# Altium PCB PCBV2.PcbDoc (part 2 of 3)
Units mil, origin at the board's own origin, x right, y up, seen from the top; angles counter-clockwise.
Board outline 4340.74 x 6112.39 mil, 4 copper layers (Top Layer, GND, PWR, Bottom Layer), stack 30.634 mil thick; 265 components, 139 nets, 704 pads, 345 vias.
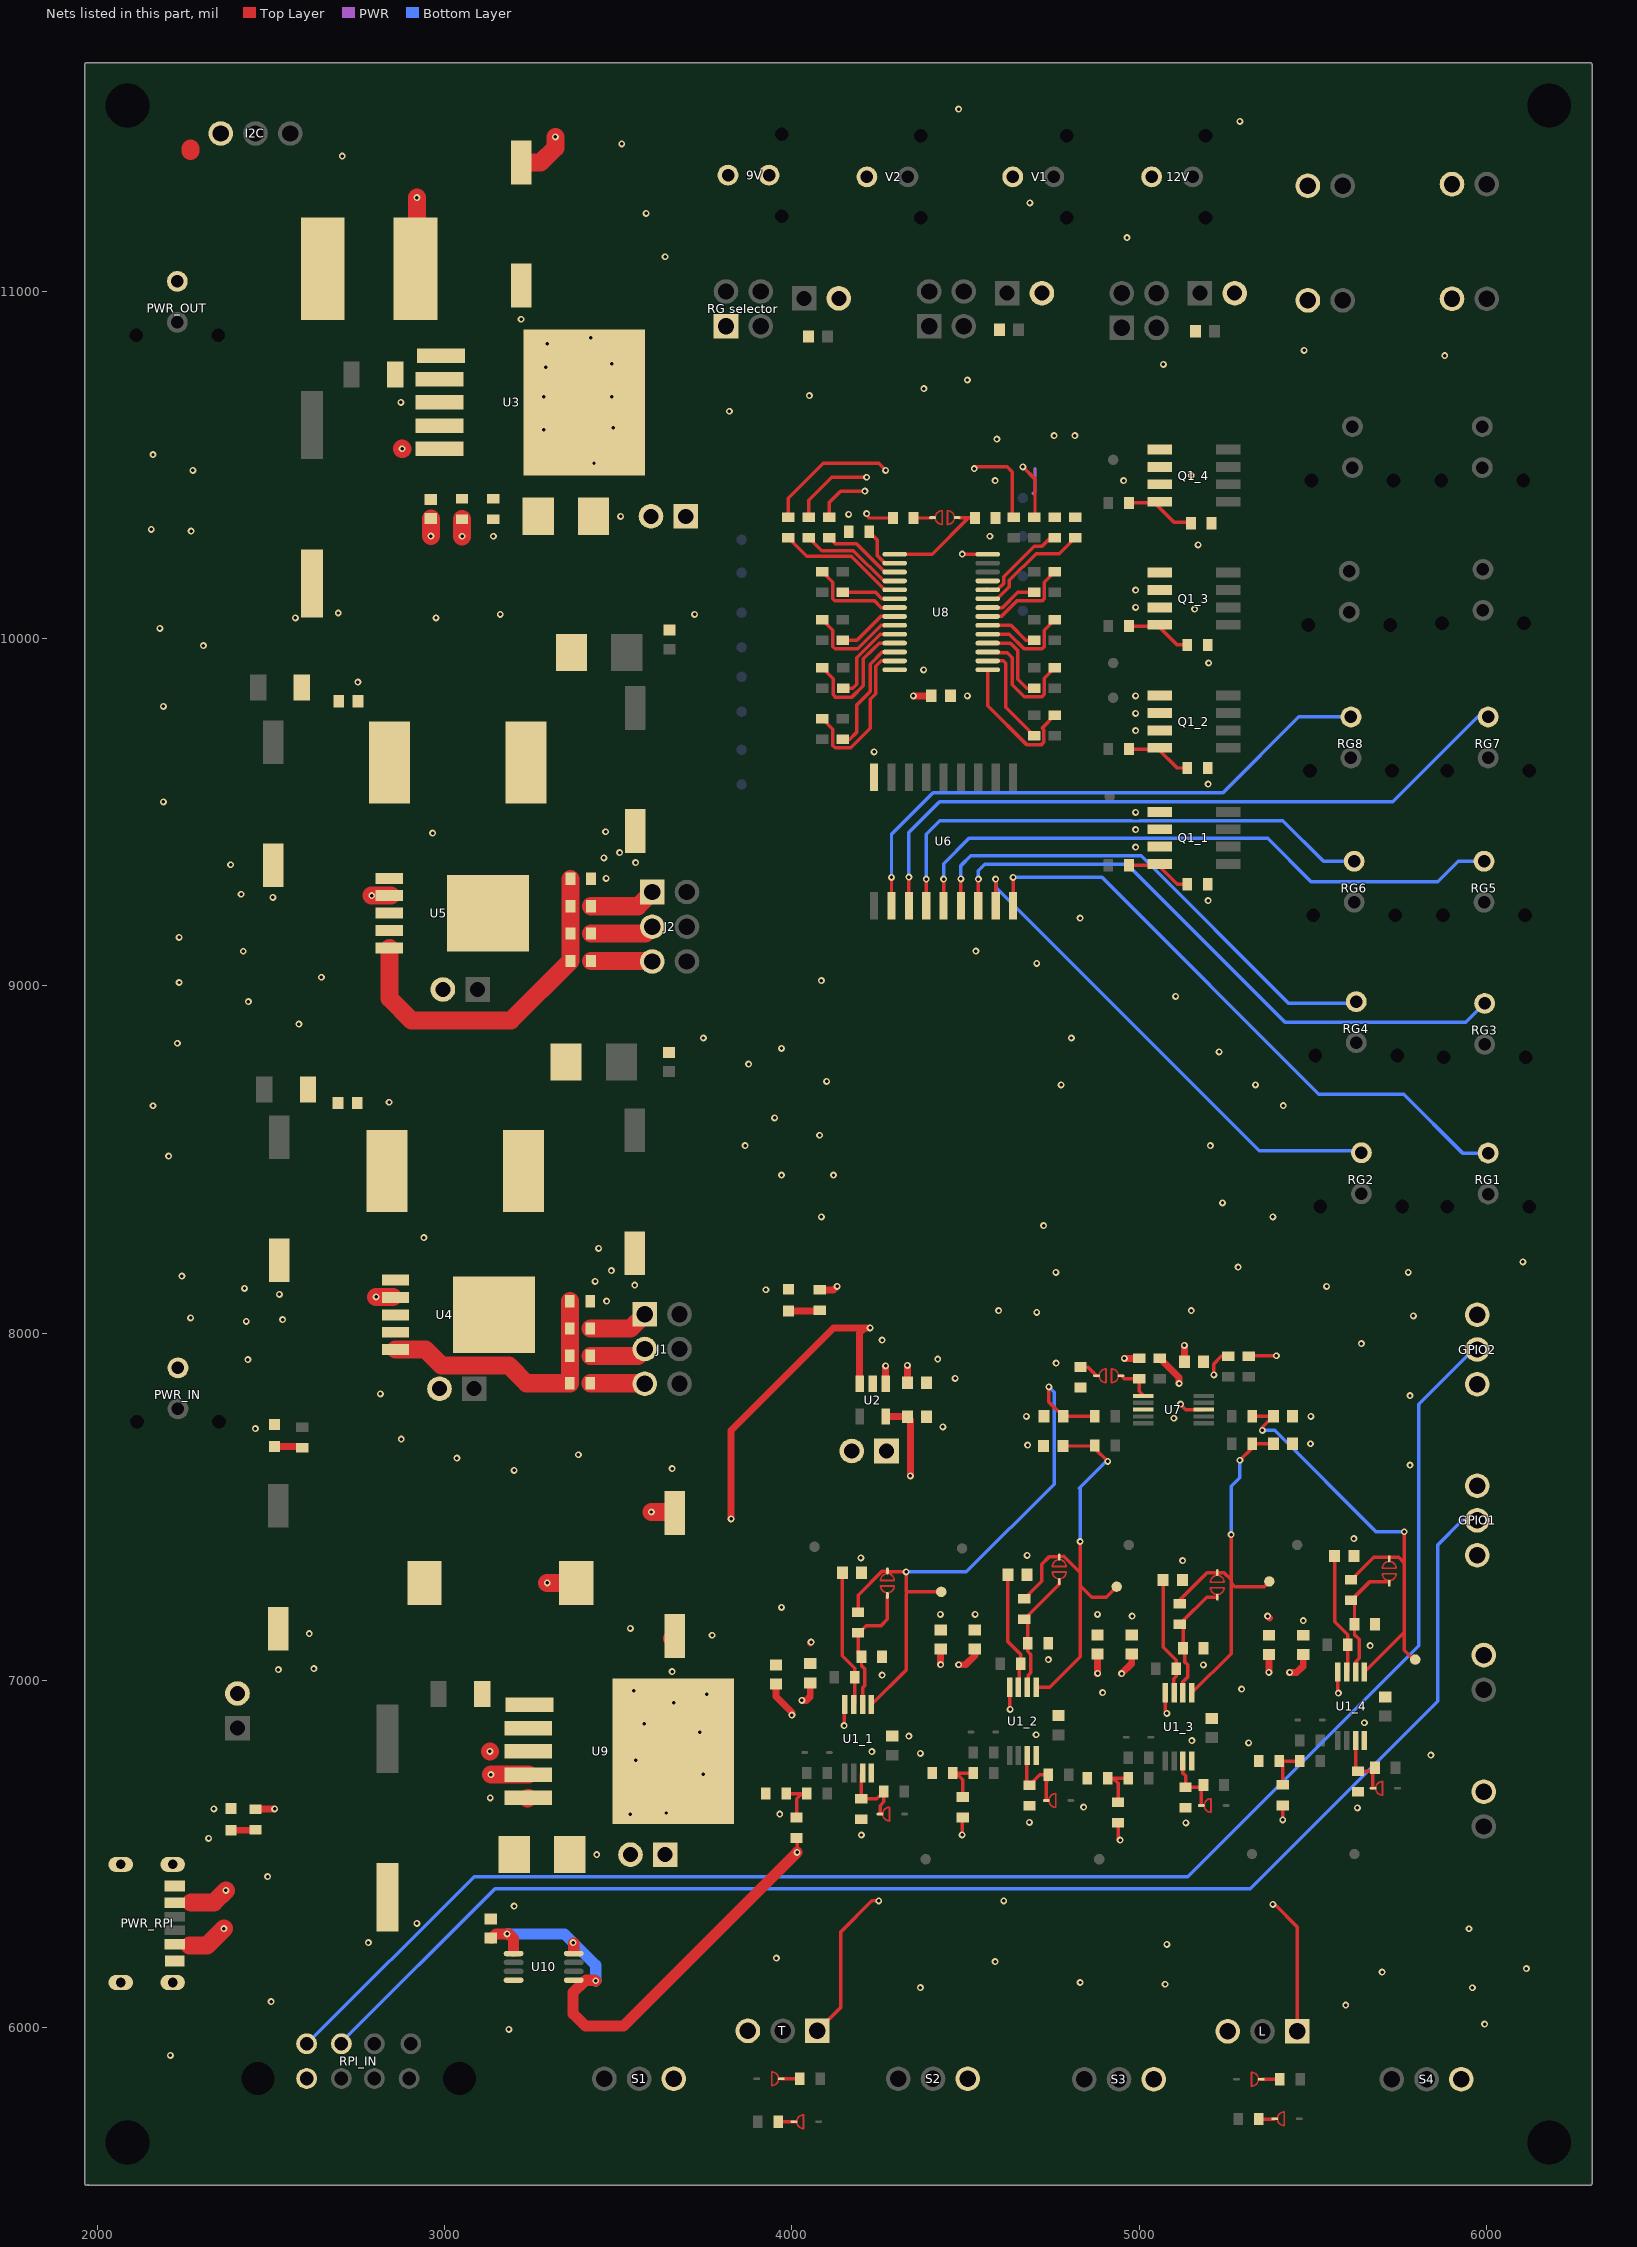
[diagram p4: the nets of this part, all layers, seen from the top]

## Part data
0 1 2 3 4 5 6 7 8 9 10 11 12 13 14 15 adc_1 adc_2 adc_3 adc_4 sens_1 sens_2 sens_3 sens_4 sig_1 sig_2 sig_3 sig_4: "Solder test point"
3V3 5V ON: library part LED, "Generic LED SMD", Color=Green, Manufacturer=Lite-On, Manufacturer Part Number=LTST-C191TGKT, Package=0603, Supplier Part Number 1=C125101, Supplier 1=LCSC
9V 12V B H1 H2 PWR_IN PWR_OUT RG1 RG2 RG3 RG4 RG5 RG6 RG7 RG8 V1 V2 W: library part "PC - 2X1", "Generic Header Power 2pos", Manufacturer=MOLEX, Manufacturer Part Number=430450212, Supplier Part Number 1=C293362, Supplier 1=LCSC
"Blue selector" "Heater selector" "RG selector": library part "Header - 2x2c", "Pin Header 4pos, 2 row, 2.54 pitch", Manufacturer="CJT(Changjiang Connectors)", Manufacturer Part Number=A2541WV-2x2P, Supplier Part Number 1=C225517, Pitch=2.54, Supplier 1=LCSC
C1 C12 C15: "Electrolytic Aluminium Capacitor", Manufacturer=Lelon, Manufacturer Part Number=VEJ470M1HTR-1010, Package=SMD,10x10mm, Supplier Part Number 1=C249662, Voltage=50V, Supplier 1=LCSC
C2 C6: "Electrolytic Aluminium Capacitor", Manufacturer=PANASONIC, Manufacturer Part Number=EEEFK1V681AQ, Package=SMD,12.5x13.5mm, Supplier Part Number 1=C178568, Voltage=35V, Supplier 1=LCSC
C3 C8: "Electrolytic Aluminium Capacitor", Manufacturer=PANASONIC, Manufacturer Part Number=EEE1VA331UAP, Package="SMD, 10X10mm", Supplier Part Number 1=C336488, Voltage=35V, Supplier 1=LCSC
C4 C5: "Capacitor (Semiconductor SIM Model)", Manufacturer="Samsung Electro-Mechanics", Manufacturer Part Number=CL10B105KO8NNNC, Supplier Part Number 1=C59782, LatestRevisionDate=29-May-2009, LatestRevisionNote="IPC-7351 Footprint Added.", PackageDescription="Chip Capacitor", PackageReference=C0603, Published=8-Jun-2000, Publisher="Altium Limited", Supplier 1=LCSC
C7: "Capacitor (Semiconductor SIM Model)", Manufacturer="Walsin Tech Corp", Manufacturer Part Number=0603B152K500, Supplier Part Number 1=C152947, LatestRevisionDate=29-May-2009, LatestRevisionNote="IPC-7351 Footprint Added.", PackageDescription="Chip Capacitor", PackageReference=C0603, Published=8-Jun-2000, Publisher="Altium Limited", Supplier 1=LCSC
C9 C11: "Electrolytic Aluminium Capacitor", Manufacturer=Lelon, Manufacturer Part Number=VE-221M1HTR-1010, Package=SMD,10x10mm, Supplier Part Number 1=C134732, Voltage=50V, Supplier 1=LCSC
C10 C13 C14 C16 C17 C18 C29: "Capacitor (Semiconductor SIM Model)", Manufacturer="Samsung Electro-Mechanics", Manufacturer Part Number=CL10A105KB8NNNC, Supplier Part Number 1=C15849, LatestRevisionDate=29-May-2009, LatestRevisionNote="IPC-7351 Footprint Added.", PackageDescription="Chip Capacitor", PackageReference=C0603, Published=8-Jun-2000, Publisher="Altium Limited", Supplier 1=LCSC
C19 C20_1 C20_2 C20_3 C20_4: "Capacitor (Semiconductor SIM Model)", Manufacturer="Samsung Electro-Mechanics", Manufacturer Part Number=CL10A106MQ8NNNC, Supplier Part Number 1=C1691, LatestRevisionDate=29-May-2009, LatestRevisionNote="IPC-7351 Footprint Added.", PackageDescription="Chip Capacitor", PackageReference=C1206, Published=8-Jun-2000, Publisher="Altium Limited", Supplier 1=LCSC
C21_1 C21_2 C21_3 C21_4 C22_1 C22_2 C22_3 C22_4 C23_1 C23_2 C23_3 C23_4: "Capacitor (Semiconductor SIM Model)", Manufacturer=YAGEO, Manufacturer Part Number=CC0603KRX7R8BB101, Supplier Part Number 1=C519410, LatestRevisionDate=29-May-2009, LatestRevisionNote="IPC-7351 Footprint Added.", PackageDescription="Chip Capacitor", PackageReference=C0603, Published=8-Jun-2000, Publisher="Altium Limited", Supplier 1=LCSC
C24 C25 C26 C27 C28 C30: "Capacitor (Semiconductor SIM Model)", Manufacturer="Taiyo Yuden", Manufacturer Part Number=UMK107B104KAHT, Supplier Part Number 1=C386152, LatestRevisionDate=29-May-2009, LatestRevisionNote="IPC-7351 Footprint Added.", PackageDescription="Chip Capacitor", PackageReference=C0603, Published=8-Jun-2000, Publisher="Altium Limited", Supplier 1=LCSC
D1 D2 D3 D4: "Schottky Diodes", Manufacturer="MCC(Micro Commercial Components)", Manufacturer Part Number=SK32B-LTP, Package=SMB, Reverse voltage=20V, Supplier Part Number 1=C139945, Supplier 1=LCSC
F1 F2 F3 F4: library part FUSE, "SMD Fuse", Current Rating=4.5A, Manufacturer=AEM, Manufacturer Part Number=F1206VH4500TM, Package=1206, Rated Voltage AC=65V, Supplier Part Number 1=C310980, Supplier 1=LCSC
GPIO1 GPIO2 I2C S1 S2 S3 S4: library part "Header - 3x1", "Generic Header 3pos, 1 row, 2.54 pitch", Manufacturer="CJT(Changjiang Connectors)", Manufacturer Part Number=A2547WV-3P, Package="Through Hole,P=2.54mm", Supplier Part Number 1=C239378, Pitch=2.54, Supplier 1=LCSC
ID-ADC ID-PWM SJ1 SJ2 SJ3 SJ4 SJ6_1 SJ6_2 SJ6_3 SJ6_4 SJ7_1 SJ7_2 SJ7_3 SJ7_4 SJ8_1 SJ8_2 SJ8_3 SJ8_4: library part Jumper, "solder jumper generic"
J1 J2: library part "Header - 3x2c", "Pin Header 6pos, 2 row, 2.54 pitch", Manufacturer="CJT(Changjiang Connectors)", Manufacturer Part Number=A2541WV-2x3P, Supplier Part Number 1=C225518, Pitch=2.54, Supplier 1=LCSC
L T: library part "Header - 3x1c", "Pin Header 3pos, 1 row, 2.54 pitch", Manufacturer="CJT(Changjiang Connectors)", Manufacturer Part Number=A2541WV-3P, Supplier Part Number 1=C225478, Pitch=2.54, Supplier 1=LCSC
L1: "Inductor SMD", Manufacturer="BC(Bao Cheng Elec)", Manufacturer Part Number=BCRH1212Y-680M, Package=SMD,12.5x12.5x12mm, Supplier Part Number 1=C238002, Supplier 1=LCSC
L2: "Inductor SMD", Manufacturer="Chilisin Elec", Manufacturer Part Number=LVS808040-150M-N, Package=SMD,8x8x4mm, Supplier Part Number 1=C280555, Supplier 1=LCSC
L3 L4: "Inductor SMD", Manufacturer="SXN(Shun Xiang Nuo Elec)", Manufacturer Part Number=SMDRI127-330MT, Package=SMD,12.3x12.3x8mm, Supplier Part Number 1=C9400, Supplier 1=LCSC
PWM1 PWM1(RPI) PWM2 PWM2(RPI) PWM3 PWM4: library part "Header - 2x1", "Generic Header 2pos, 1 row, 2.54 pitch", Manufacturer="CJT(Changjiang Connectors)", Manufacturer Part Number=A2547WV-2P, Package="Through Hole,P=2.54mm", Supplier Part Number 1=C239377, Pitch=2.54mm, Supplier 1=LCSC
PWR_RPI: "USB - Type C Female 6 USB Connectors RoHS", Manufacturer="Korean Hroparts Elec", Manufacturer Part Number=TYPE-C-31-M-17, Supplier Part Number 1=C283540, Supplier 1=LCSC
Q1_1 Q1_2 Q1_3 Q1_4: library part IRF7401, "MOSFET N Channel 20V 8.7A 700mV @ 250uA 22mO @ 4.1A,4.5V SOIC-8_150mil RoHS", Manufacturer="Infineon Technologies", Manufacturer Part Number=IRF7401TRPBF, Package=SO-8, Supplier Part Number 1=C169092, Supplier 1=LCSC
R1 R2 R3 R4 R16_1 R16_2 R16_3 R16_4 R18 R19 R41 R42 R53 R55 R56: "Resistor", Manufacturer=PANASONIC, Manufacturer Part Number=ERJPB3B1002V, Supplier Part Number 1=C161787, LatestRevisionDate=29-May-2009, LatestRevisionNote="IPC-7351 Footprint Added.", PackageDescription="Chip Resistor", PackageReference=J1-0603, Published=8-Jun-2000, Publisher="Altium Limited", Supplier 1=LCSC
  R2: Rule=Undefined
R5 R7 R11: "Resistor", Manufacturer=KAMAYA, Manufacturer Part Number=RMC16K102FTP, Supplier Part Number 1=C323557, LatestRevisionDate=29-May-2009, LatestRevisionNote="IPC-7351 Footprint Added.", PackageDescription="Chip Resistor", PackageReference=J1-0603, Published=8-Jun-2000, Publisher="Altium Limited", Supplier 1=LCSC
R6: "Resistor", Manufacturer=YAGEO, Manufacturer Part Number=RC0603FR-076K34L, Supplier Part Number 1=C185314, LatestRevisionDate=29-May-2009, LatestRevisionNote="IPC-7351 Footprint Added.", PackageDescription="Chip Resistor", PackageReference=J1-0603, Published=8-Jun-2000, Publisher="Altium Limited", Supplier 1=LCSC
R8 R12: "Resistor", Manufacturer=YAGEO, Manufacturer Part Number=AC0603FR-0711K8L, Supplier Part Number 1=C227561, LatestRevisionDate=29-May-2009, LatestRevisionNote="IPC-7351 Footprint Added.", PackageDescription="Chip Resistor", PackageReference=J1-0603, Published=8-Jun-2000, Publisher="Altium Limited", Supplier 1=LCSC
R9 R13: "Resistor", Manufacturer=YAGEO, Manufacturer Part Number=RC0603FR-0715KL, Supplier Part Number 1=C114661, LatestRevisionDate=29-May-2009, LatestRevisionNote="IPC-7351 Footprint Added.", PackageDescription="Chip Resistor", PackageReference=J1-0603, Published=8-Jun-2000, Publisher="Altium Limited", Supplier 1=LCSC
R10 R14: "Resistor", Manufacturer=RALEC, Manufacturer Part Number=RTT031822FTP, Supplier Part Number 1=C103358, LatestRevisionDate=29-May-2009, LatestRevisionNote="IPC-7351 Footprint Added.", PackageDescription="Chip Resistor", PackageReference=J1-0603, Published=8-Jun-2000, Publisher="Altium Limited", Supplier 1=LCSC
R15_1 R15_2 R15_3 R15_4: "Resistor", Manufacturer="ROHM Semicon", Manufacturer Part Number=MCR03EZPFX1100, Supplier Part Number 1=C308180, LatestRevisionDate=29-May-2009, LatestRevisionNote="IPC-7351 Footprint Added.", PackageDescription="Chip Resistor", PackageReference=J1-0603, Published=8-Jun-2000, Publisher="Altium Limited", Supplier 1=LCSC
R17 R20 R21 R22 R31 R32 R52 R54: "Resistor", Manufacturer=YAGEO, Manufacturer Part Number=RC0603FR-072KL, Supplier Part Number 1=C105576, LatestRevisionDate=29-May-2009, LatestRevisionNote="IPC-7351 Footprint Added.", PackageDescription="Chip Resistor", PackageReference=J1-0603, Published=8-Jun-2000, Publisher="Altium Limited", Supplier 1=LCSC
R23 R24 R25 R26 R27 R28 R29 R30 R33 R34 R35 R36 R37 R38 R39 R40 R57 R58 R59 R60: "Resistor", Manufacturer=YAGEO, Manufacturer Part Number=RC0603FR-07220RL, Supplier Part Number 1=C107696, LatestRevisionDate=29-May-2009, LatestRevisionNote="IPC-7351 Footprint Added.", PackageDescription="Chip Resistor", PackageReference=J1-0603, Published=8-Jun-2000, Publisher="Altium Limited", Supplier 1=LCSC
R43_1 R43_2 R43_3 R43_4 R47_1 R47_2 R47_3 R47_4 R48_1 R48_2 R48_3 R48_4 R51_1 R51_2 R51_3 R51_4: "Resistor", Manufacturer="ROHM Semicon", Manufacturer Part Number=MCR03EZPFX1201, Supplier Part Number 1=C380376, LatestRevisionDate=29-May-2009, LatestRevisionNote="IPC-7351 Footprint Added.", PackageDescription="Chip Resistor", PackageReference=J1-0603, Published=8-Jun-2000, Publisher="Altium Limited", Supplier 1=LCSC
R44_1 R44_2 R44_3 R44_4 R45_1 R45_2 R45_3 R45_4 R46_1 R46_2 R46_3 R46_4 R50_1 R50_2 R50_3 R50_4: "Resistor", Manufacturer=YAGEO, Manufacturer Part Number=RC0603FR-072K2L, Supplier Part Number 1=C114662, LatestRevisionDate=29-May-2009, LatestRevisionNote="IPC-7351 Footprint Added.", PackageDescription="Chip Resistor", PackageReference=J1-0603, Published=8-Jun-2000, Publisher="Altium Limited", Supplier 1=LCSC
R49_1 R49_2 R49_3 R49_4 R62: "Resistor", Manufacturer=YAGEO, Manufacturer Part Number=RC0603FR-07100RL, Supplier Part Number 1=C105588, LatestRevisionDate=29-May-2009, LatestRevisionNote="IPC-7351 Footprint Added.", PackageDescription="Chip Resistor", PackageReference=J1-0603, Published=8-Jun-2000, Publisher="Altium Limited", Supplier 1=LCSC
R61: "Resistor", Manufacturer=YAGEO, Manufacturer Part Number=RC0603FR-0710RL, Supplier Part Number 1=C109318, LatestRevisionDate=29-May-2009, LatestRevisionNote="IPC-7351 Footprint Added.", PackageDescription="Chip Resistor", PackageReference=J1-0603, Published=8-Jun-2000, Publisher="Altium Limited", Supplier 1=LCSC
R63: "Resistor", Manufacturer=YAGEO, Manufacturer Part Number=AC0603FR-07442RL, Supplier Part Number 1=C227905, LatestRevisionDate=29-May-2009, LatestRevisionNote="IPC-7351 Footprint Added.", PackageDescription="Chip Resistor", PackageReference=J1-0603, Published=8-Jun-2000, Publisher="Altium Limited", Supplier 1=LCSC
RPI_IN: library part "Header - 4x2", "Generic Header 8 pos, 2 row, 2.54 pitch", Manufacturer=MOLEX, Manufacturer Part Number=15477608, Package="Through Hole,P=2.54mm", Supplier Part Number 1=C277394, Pitch=2.54, Supplier 1=LCSC
tp-3V3 tp-5V tp-9V tp-BLUE> tp-HEATER> tp-PWR_IN tp-RG> tp-V1 tp-V2: library part "Header - 2x1c", "Pin Header 2pos, 1 row, 2.54 pitch", Manufacturer="CJT(Changjiang Connectors)", Manufacturer Part Number=A2541WV-2P, Supplier Part Number 1=C225477, Pitch=2.54, Supplier 1=LCSC
U1_1 U1_2 U1_3 U1_4: library part OPA2333, "Precision OpAmps Zero-Drift 2 1.8V ~ 5.5V, ±0.9V ~ 2.75V 350kHz 0.16 V/us MSOP-8 RoHS", Manufacturer="Texas Instruments", Supplier Part Number 1=C19608, Manufacturer Part Number=OPA2333AIDGKR, Supplier 1=LCSC
U2: library part AP2112K-3.3, "600mA CMOS LDO REGULATOR WITH ENABLE", Manufacturer=DIODES, Package=SOT-25-5_L3.0-W1.8-P0.95-LS3.0-BL, Supplier Part Number 1=C51118, Manufacturer Part Number=AP2112K-3.3TRG1, Supplier 1=LCSC
U3: "DC-DC Converters Step-Down Adjustable 1 4.5V 40V 1.2V 37V 3A TO-263-5 RoHS", Manufacturer="Texas Instruments", Manufacturer Part Number=LM2596SX-ADJ/NOPB, Package=TO-263-5, Supplier Part Number 1=C29781, Supplier 1=LCSC
U4 U5: "DC-DC Converters Step-Up, Step-Up/Step-Down Adjustable 1 3.6V 32V 3A TO-252-5 RoHS", Manufacturer=XLSEMI, Manufacturer Part Number=XL6008E1, Package=TO-252-5, Supplier Part Number 1=C73012, Supplier 1=LCSC
U6: library part ULN2803, "Darlington transistor array driver SOIC-18_300mi", Manufacturer="Texas instrument", Manufacturer Part Number=ULN2803ADWR, Package=SOIC-18_300mil, Supplier Part Number 1=C9683, Supplier 1=LCSC
U7: library part ADS1115QDGSRQ1, "Analog To Digital Converters (ADCs) VSSOP-10 RoHS", Manufacturer="Texas Instruments", Package=VSSOP-10, Supplier Part Number 1=C172375, Manufacturer Part Number=ADS1115QDGSRQ1, Supplier 1=LCSC
U8: "LED Drivers,16CH, I2C, TSSOP-28", Manufacturer="NXP Semicon", Manufacturer Part Number=PCA9685PW/Q900,118, Package=TSSOP-28, Supplier Part Number 1=C92206, Supplier 1=LCSC
U9: "Step-Down Positive Fixed 1 3A 150kHz TO-263-5 DC-DC Converters RoHS", Manufacturer="HTC Korea TAEJIN Tech", Manufacturer Part Number=LM2596R-5.0, Package=TO-263-5, Supplier Part Number 1=C77782, Supplier 1=LCSC
U10: "VSSOP-8_3x3x065P Level Translators, Shifters RoHS", Manufacturer="Texas Instruments", Manufacturer Part Number=TCA9517ADGKR, Supplier Part Number 1=C201698, Supplier 1=LCSC

## Free pads (board coordinates)
  round 59.06 hole 125.98: 24(2086.61,5669.29)
  round 60 hole 125.98: 24(2086.61,11535.43) 24(6181.1,5669.29) 24(6181.1,11535.43)

## Via types
v1: diameter 20, hole 10, Top Layer to Bottom Layer, 345 vias

## Nets (pads, with @x,y where several pads share a name; then routed paths per layer and width w, separated by ;. In a path a pad name is that pad's centre, name@x,y a point inside that pad or via, vN(x,y) a via of type N, cw(c..) or ccw(c..) an arc to the next point about the centre after c; other vN are vias at no path point)
+3V3: C5.2 C19.2 C20_1.2 C20_2.2 C20_3.2 C20_4.2 C21_1.1 C21_2.1 C21_3.1 C21_4.1 C24.2 C30.2 L.1 R17.1 R20.1 R21.1 R22.1 R31.1 R32.1 R44_1.2 R44_2.2 R44_3.2 R44_4.2 R52.1 R54.1 R55.2 R56.2 R61.2 T.1 tp-3V3.1 U1_1.8 U1_2.8 U1_3.8 U1_4.8 U2.5 U4.2 U5.2 U7.8 U8.28 U10.1 U10.5 U10.8 | length 5605.6
  Top Layer w10: v1(3370,6245) v1@3371.61,6243.39 ; R22.1@3989.15,10349.94 3989.15,10404.15 4090,10505 4250,10505 v1(4270,10485) ; R44_1.2@4013.39,6546.18 4015,6544.57 v1(4015,6505) ; R21.1@4048.21,10349.94 4048.21,10398.56 4114.64,10465 v1(4215,10465) ; T.1@4073.27,5990.51 4140,6057.24 4140,6275 4230,6365 v1(4250,6365) ; R20.1@4107.26,10349.94 4107.26,10392.26 4140,10425 v1(4210,10425) ; v1(4150,6870) 4150,6927.95 U1_1.8@4152.17,6930.12 ; v1(4215,10360) 4215,10355 4222.42,10347.58 R17.1@4291,10347.58 ; C5.2@4332.48,7759.02 C5.2@4332.48,7760 ; C19.2@4400.47,9835 C19.2@4401.24,9835.77 ; v1(4490,6555) 4490,6602.87 R44_2.2@4492.24,6605.12 ; v1(4490.45,10243.72) 4491.04,10243.13 U8.28@4563.6,10243.13 ; v1(4525,10490) 4530,10495 4620,10495 4635,10480 4635,10356.18 4640,10351.18 R31.1@4638.76,10349.94 ; U1_2.8@4626.69,6980.43 4626.69,6918.31 v1(4628.35,6916.65) ; v1(4665,10495) 4700,10460 4700,10357.76 4695,10352.76 R32.1@4697.81,10349.94 ; R44_3.2@4939.29,6590.55 4939.29,6545.71 v1(4945,6540) ; U1_3.8@5075,6964.41 5075,6910 v1(5080,6905) ; v1(5119.57,7795.71) 5119.57,7794.29 5133.86,7780 U7.8@5185.47,7780 ; v1(5215,7880) 5215,7911.14 5236.81,7932.95 ; R56.2@5317.44,7935 v1(5395,7935) ; v1(5373.46,7023.07) v1@5374.05,7023.66 ; v1(5385,6355) 5390,6355 5455.28,6289.72 L.1@5455.28,5989.21 L.1@5461.81,5995.75 ; R44_4.2@5413.42,6639.8 5413.42,6598.11 v1(5413.46,6598.07) ; U1_4.8@5571.89,7023.74 5571.89,6964.65 v1(5573.46,6963.07)
  Top Layer w20: C21_1.1@3954.33,6989.09 3954.33,6953.15 4000,6907.48 v1(4000,6900) ; v1(4028.74,6942.56) 4041.77,6942.56 4052.76,6953.54 C20_1.2@4052.76,6993.03 ; R61.2@4080,8124.53 4119.53,8124.53 v1(4130,8135) ; U2.5@4270,7760 4332.48,7760 4340.85,7751.63 v1(4340.85,7589.15) ; v1(4350,9835) C19.2@4400.47,9835 ; v1(4428.19,7045.63) C21_2.1@4428.19,7089.84 ; v1(4480,7045) 4500,7045 4526.61,7071.61 C20_2.2@4526.61,7089.84 ; v1(4880.24,7020.24) C21_3.1@4880.24,7070.59 ; v1(4949.65,7019.65) 4978.66,7048.66 C20_3.2@4978.66,7075.59 ; v1(4957.64,7927.64) R52.1@5000.43,7927.64 ; R54.1@5059.49,7927.64 5115,7872.13 v1(5115,7855) ; C24.2@5130.35,7917.8 v1(5130.35,7964.92) ; v1@5374.05,7023.66 C21_4.1@5374.05,7074.84 ; v1(5433.46,7023.07) 5453.46,7023.07 5472.48,7042.09 C20_4.2@5472.48,7074.84
  Top Layer w32: C30.2@3135,6257.44 3147.56,6270 v1(3180,6270) 3185,6270 3198.39,6256.61 U10.1@3198.39,6220 ; 3371.61,6225 v1@3371.61,6243.39 ; v1(3435,6135) 3433.39,6136.61 3407.53,6136.61 3404.24,6133.33 3402.13,6133.33 3370,6101.2 3370,6040 3405,6005 3515,6005 v1(4015,6505)
  Top Layer w52: v1(2790,9259.8) U5.2@2840.59,9259.8 U5.2@2845.59,9259.8 ; v1(2802.8,8104.37) U4.2@2851.73,8104.37
  PWR w10: 4697.15,10417.03 4695,10419.17 4700,10424.17 4700,10490
  Bottom Layer w32: v1(3180,6270) 3345,6270 v1(3370,6245) 3435,6180 v1(3435,6135)
+5V: C3.2 C4.2 GPIO1.1 GPIO2.1 L1.2 L.3 PWR_RPI.A9 PWR_RPI.B9 R62.2 T.3 tp-5V.1 U2.1 U2.3 U9.4 | length 1606.6
  Top Layer w10: v1(4270,7905.75) v1@4270.75,7905
  Top Layer w18: 2499.53,6629.53 v1@2500,6630
  Top Layer w20: R62.2@2455,6629.53 2499.53,6629.53 ; v1@2500,6630 v1(2510,6630) ; v1(3825,7465) 3825,7720 4120,8015 4210,8015 ; U2.3@4195.2,7854.49 4195.2,8000.2 4210,8015 ; v1(4225,8015) 4210,8015 ; U2.1@4270,7854.49 v1(4270,7905.75) ; C4.2@4332.48,7857.44 v1(4332.48,7907.2)
  Top Layer w52: 2265.3,6236.02 2315.08,6236.02 v1(2364.06,6285) ; 2270,6360 2335,6360 v1(2370,6395) ; v1(3133.23,6728.58) U9.4@3240.59,6728.58 ; v1(3295.28,7280.63) L1.2@3378.78,7280.63 ; v1(3595,7485) 3664.45,7485 3665,7484.45 C3.2@3662.76,7482.2 ; GPIO1.1@5965.71,7360.71 GPIO1.1@5973.35,7360.71
+9V: 9V.1 "RG selector.1" C7.2 C8.2 L2.2 R6.2 tp-9V.1 | length 454.6
  Top Layer w52: L2.2@2916.22,11064.84 2920,11068.62 v1(2920,11270) ; v1(2960.12,10295.12) C7.2@2960.12,10346.3 ; v1(3050,10295) 3050,10344.21 R6.2@3050.12,10344.33 ; C8.2@3220.43,11371.38 3276.38,11371.38 3318.86,11413.86 v1(3318.86,11445.16)
+16(a)V: J1.1 R8.2 | length 173.7
  Top Layer w52: R8.2@3419.45,8013.31 3535.2,8013.31 J1.1@3576.14,8054.25
+16(b)V: J2.1 R12.2 | length 193.3
  Top Layer w52: R12.2@3421.3,9229.49 3556.73,9229.49 J2.1@3597.68,9270.43
+20(a)V: J1.2 R9.2 | length 164.8
  Top Layer w52: R9.2@3419.45,7934.57 3556.46,7934.57 J1.2@3576.14,7954.25
+20(b)V: J2.2 R13.2 | length 184.5
  Top Layer w52: R13.2@3421.3,9150.75 3577.99,9150.75 J2.2@3597.68,9170.43
+24(a)V: J1.3 R10.2 | length 157.3
  Top Layer w10: J1.3@3574.57,7855.83 J1.3@3576.14,7854.25
  Top Layer w52: R10.2@3419.45,7855.83 J1.3@3574.57,7855.83
+24(b)V: J2.3 R14.2 | length 177
  Top Layer w10: J2.3@3596.1,9072.01 J2.3@3597.68,9070.43
  Top Layer w52: R14.2@3421.3,9072.01 J2.3@3596.1,9072.01
ADC_CH1: adc_1.1 C25.2 R45_1.1 R57.1 SJ8_1.1 U1_1.5 | length 1748.5
  Top Layer w10: R45_1.1@4190.55,7195.79 4190.55,7245.55 4260,7315 4270,7315 4275,7310 SJ8_1.1@4275,7315.43 4277.87,7312.56 v1(4328.74,7312.56) 4328.74,7255 4415,7255 adc_1.1@4422.5,7262.5 ; U1_1.5@4228.94,6930.12 4328.74,7029.92 4328.74,7247.56 ; v1(4740,7845) 4740,7801.77 C25.2@4781.46,7760.31 R57.1@4872.48,7760.31
  Bottom Layer w10: v1(4328.74,7312.56) 4502.56,7312.56 4755,7565 4755,7830 v1(4740,7845)
ADC_CH2: adc_2.1 C26.2 R45_2.1 R58.1 SJ8_2.1 U1_2.5 | length 1309.2
  Top Layer w10: R45_2.1@4669.41,7235.04 4720,7285.63 4720,7335 4740.43,7355.43 4769.95,7356.66 4782.81,7357.19 4830,7310 ; U1_2.5@4703.46,6980.43 4742.68,6980.43 4830,7067.76 4830,7272.95 ; C26.2@4780.12,7675 R58.1@4872.48,7675 ; v1(4830,7400) 4830,7310 ; R58.1@4872.48,7676.57 R58.1@4872.48,7675 ; v1(4909.57,7630.71) 4872.48,7667.8 R58.1@4872.48,7675 ; adc_2.1@4935,7270 4905,7240 4862.95,7240 4830,7272.95 ; 4830,7272.95 4830,7310
  Bottom Layer w10: v1(4830,7400) 4830,7551.34 4827.6,7553.74 v1@4909.57,7635.71
ADC_CH3: adc_3.1 C27.2 R45_3.1 R60.2 SJ8_3.1 U1_3.5 | length 1171.2
  Top Layer w10: R45_3.1@5116.46,7220.47 5116.46,7231.46 5195.43,7310.43 SJ8_3.1@5225,7310.43 5244.21,7310.43 5264.65,7290 ; U1_3.5@5151.77,6964.41 5264.65,7077.28 5264.65,7280.35 ; v1(5265,7420) 5265,7373.7 5264.65,7373.35 5264.65,7290 ; v1(5290,7633.94) 5325.24,7669.17 R60.2@5325.24,7681.57 C27.2@5386.26,7681.57 ; adc_3.1@5375,7285 5360,7270 5275,7270 5264.65,7280.35 ; 5264.65,7280.35 5264.65,7290
  Bottom Layer w10: v1(5265,7420) 5265,7558.94 5290,7583.94 v1(5290,7633.94)
ADC_CH4: adc_4.1 C28.2 R45_4.1 R59.2 SJ8_4.1 U1_4.5 | length 1379
  Top Layer w10: R59.2@5325.24,7760.31 C28.2@5386.26,7760.31 5355,7729.06 v1(5355,7720) ; R45_4.1@5610.28,7289.41 5675.24,7354.37 5747.16,7354.37 5763.46,7338.07 ; U1_4.5@5648.66,7023.74 5763.46,7138.54 ; v1(5763.46,7428.07) 5763.46,7338.07 ; adc_4.1@5795,7055 5763.46,7086.54 5763.46,7138.54 ; 5763.46,7138.54 5763.46,7338.07
  Bottom Layer w10: v1(5355,7720) 5390,7720 5681.93,7428.07 v1(5763.46,7428.07)
addr_ads1115: ID-ADC.2 R52.2 U7.1 | length 108.9
  Top Layer w10: ID-ADC.2@4947.99,7877.19 4956.6,7868.58 R52.2@5000.43,7868.58 5000.43,7832.4 U7.1@5012.24,7820.59
addr_pca9685_a0: ID-PWM.2 R18.2 U8.1 | length 312.1
  Top Layer w10: U8.1@4295.89,10243.13 4403.54,10243.13 4507.99,10347.58 R18.2@4527.22,10347.58 ; ID-PWM.2@4483.76,10348.72 R18.2@4521.24,10348.72
CH_0: RG1.2 U6.18 | length 1778.8
  Top Layer w10: U6.18@4636.77,9231.18 v1(4636.77,9312.83)
  Bottom Layer w10: v1(4636.77,9312.83) 4892.87,9312.83 5517.44,8688.27 5761.73,8688.27 5931.26,8518.74 RG1.2@6005,8518.74
CH_1: B.2 Q1_1.5 Q1_1.6 Q1_1.7 Q1_1.8 | length 13.7
  Top Layer w10: B.2@5980.31,10190 B.2@5990,10199.68
CH_1: RG2.2 U6.17 | length 1467.9
  Top Layer w10: U6.17@4586.77,9231.18 v1(4586.77,9307.83)
  Bottom Layer w10: v1(4586.77,9307.83) 4586.77,9284.29 5346.06,8525 RG2.2@5640,8525
CH_2: Q1_2.5 Q1_2.6 Q1_2.7 Q1_2.8 W.2 | length 10.2
  Top Layer w10: Q1_2.8@5256.06,9835.91 Q1_2.8@5256.06,9846.06
CH_2: RG3.2 U6.16 | length 1777.5
  Top Layer w10: U6.16@4536.77,9231.18 v1(4536.77,9307.83)
  Bottom Layer w10: v1(4536.77,9307.83) 4536.77,9331.77 4555,9350 4965,9350 5420,8895 5940.31,8895 RG3.2@5995,8949.68
CH_3: H1.2 Q1_3.5 Q1_3.6 Q1_3.7 Q1_3.8
CH_3: RG4.2 U6.15 | length 1441.6
  Top Layer w10: U6.15@4486.77,9231.18 v1(4486.77,9308.11)
  Bottom Layer w10: v1(4486.77,9308.11) 4486.77,9346.77 4515,9375 4985.47,9375 4985.98,9374.49 5005.51,9374.49 5430,8950 RG4.2@5625,8950
CH_4: H2.2 Q1_4.5 Q1_4.6 Q1_4.7 Q1_4.8
CH_4: RG5.2 U6.14 | length 1783.6
  Top Layer w10: U6.14@4436.77,9231.18 v1(4436.77,9307.83)
  Bottom Layer w10: v1(4436.77,9307.83) 4436.77,9351.77 4510,9425 5370,9425 5495,9300 5860,9300 5919.02,9359.02 RG5.2@5993.23,9359.02
CH_5: RG6.2 U6.13 | length 1504
  Top Layer w10: U6.13@4386.77,9231.18 v1(4386.77,9307.83)
  Bottom Layer w10: v1(4386.77,9307.83) 4386.77,9436.77 4426.26,9476.26 4978.38,9476.26 4979.64,9475 5000.36,9475 5001.62,9476.26 5413.74,9476.26 5530.98,9359.02 RG6.2@5619.21,9359.02
CH_6: RG7.2 U6.12 | length 2016.7
  Top Layer w10: U6.12@4336.77,9231.18 v1(4336.77,9313.11)
  Bottom Layer w10: v1(4336.77,9313.11) 4336.77,9441.77 4425,9530 5730,9530 5974.69,9774.68 RG7.2@6005,9774.68
CH_7: RG8.2 U6.11 | length 1694.1
  Top Layer w10: U6.11@4286.77,9231.18 v1(4286.77,9312.83) ; RG8.2@5584.69,9774.68 RG8.2@5610,9774.68
  Bottom Layer w10: v1(4286.77,9312.83) 4286.77,9436.77 4406.38,9556.38 5241.38,9556.38 5459.69,9774.68 RG8.2@5610,9774.68
GND: 3V3.2 5V.2 9V.2 12V.2 C1.1 C2.1 C3.1 C4.1 C5.1 C6.1 C8.1 C9.1 C10.1 C11.1 C12.1 C13.1 C14.1 C15.1 C16.2 C17.2 C18.2 C19.1 C20_1.1 C20_2.1 C20_3.1 C20_4.1 C21_1.2 C21_2.2 C21_3.2 C21_4.2 C22_1.1 C22_2.1 C22_3.1 C22_4.1 C23_1.1 C23_2.1 C23_3.1 C23_4.1 C24.1 C25.1 C26.1 C27.1 C28.1 C29.1 C30.1 D1.1 D2.1 GPIO1.3 GPIO2.3 I2C.3 ON.2 PWM1(RPI).2 PWM1.2 PWM2(RPI).2 PWM2.2 PWM3.2 PWM4.2 PWR_IN.2 PWR_OUT.2 PWR_RPI.1 PWR_RPI.2 PWR_RPI.3 PWR_RPI.4 PWR_RPI.A12 PWR_RPI.B12 Q1_1.1 Q1_1.2 Q1_1.3 Q1_2.1 Q1_2.2 Q1_2.3 Q1_3.1 Q1_3.2 Q1_3.3 Q1_4.1 Q1_4.2 Q1_4.3 R5.1 R7.1 R11.1 R16_1.1 R16_2.1 R16_3.1 R16_4.1 R18.1 R19.1 R41.1 R42.1 R46_1.2 R46_2.2 R46_3.2 R46_4.2 R50_1.1 R50_2.1 R50_3.1 R50_4.1 R51_1.1 R51_2.1 R51_3.1 R51_4.1 R53.1 RPI_IN.4 S1.3 S2.3 S3.3 S4.3 tp-3V3.2 tp-5V.2 tp-9V.2 tp-BLUE>.2 tp-HEATER>.2 tp-PWR_IN.2 tp-RG>.2 tp-V1.2 tp-V2.2 U1_1.4 U1_2.4 U1_3.4 U1_4.4 U2.2 U3.3 U3.5 U3.6 U4.1 U5.1 U6.9 U7.3 U8.14 U8.25 U9.3 U9.5 U9.6 U10.4 V1.2 V2.2 | length 152
  Top Layer w10: v1(2335,6630) v1@2336.5,6631.5 ; v1(2455,7725) v1@2460,7725 ; v1@3463.31,9308.23 v1(3464.92,9309.84) ; S1.3@3659.88,5852.72 S1.3@3672.05,5852.72 ; v1(3925,8125) v1@3926.5,8126.5 ; v1(4199.76,6554.76) v1@4200,6555 ; C22_1.1@4208.74,7307.56 C22_1.1@4210.24,7306.06 ; v1@4228.94,6793.94 v1(4230,6795) ; v1(4236.65,9674.21) v1@4236.77,9674.09 ; R46_1.2@4259.45,7067.83 R46_1.2@4260,7067.28 ; v1@4415.79,7925 v1(4420,7925) ; C19.1@4456.36,9835.77 C19.1@4457.13,9835 ; S2.3@4506.34,5852.72 S2.3@4507.05,5852.72 ; v1(4585,10455) v1@4586.28,10453.72 ; v1(4678.66,7677.36) v1@4681.02,7675 ; R41.1@4755,10348.07 R41.1@4756.87,10349.94 ; C23_2.1@4767.83,6898.43 C23_2.1@4768.43,6898.43 ; R42.1@4815,10350.87 R42.1@4815.93,10349.94 ; v1(4990,9400) v1@4991.26,9401.26 ; v1(4990,9735) v1@4990.91,9735.91 ; v1(4990,9785) v1@4990.91,9785.91 ; v1(4990,9835) v1@4990.91,9835.91 ; v1(4990,10140) v1@4990.24,10140.24 ; Q1_1.1@5037.95,9500 5042.95,9505 5052.95,9495 Q1_1.1@5059.21,9501.26 ; Q1_1.2@5057.95,9450 Q1_1.2@5059.21,9451.26 ; v1@5124.33,7344.33 v1(5125,7345) ; v1@5133.7,6590.59 v1(5134.65,6589.65) ; v1(5150,8065) v1@5155,8065 ; v1(5184.65,7044.65) v1@5185.35,7045.35 ; C24.1@5185,7918.27 C24.1@5185.47,7917.8 ; v1@5198.07,9246.5 v1(5198.82,9245.75) ; v1@5198.07,9582.13 v1(5198.82,9581.38) ; v1@5618.15,7407.76 v1(5618.46,7408.07) ; v1(5628.46,6633.07) v1@5629.96,6634.57 ; v1(5648.46,6878.07) v1@5648.66,6877.87 ; S4.3@5927.72,5851.42 S4.3@5930.91,5851.42 ; GPIO1.3@5973.35,7560.71 GPIO1.3@5973.35,7563.35 ; GPIO2.3@5973.35,8052.83 GPIO2.3@5982.83,8052.83 ; 5992.28,6679.29 5999.29,6679.29
  Top Layer w20: v1@4052.76,7107.76 v1(4055,7110) ; v1(5370,7185) v1@5375,7180 ; C21_4.2@5374.05,7129.96 C21_4.2@5375,7130.91
  Top Layer w52: 2267.83,11404.8 2267.83,11412.17 ; v1(2877.6,10547.01) v1@2878.11,10546.5 ; v1(3130.28,6795.63) v1(3130.28,6795.63) ; C8.1@3220,10996.93 C8.1@3220.43,10997.36 ; U9.5@3238.94,6659.92 U9.5@3240.59,6661.58 ; C3.1@3655,7120.12 C3.1@3662.76,7127.87
  other v1: 2210,5920 3185,5995 5995,6010 5594.92,6064.84 2500,6075 4370,6115 5959.92,6114.84 5075,6125 4830,6130 5699.92,6159.84 6115,6170 4584.92,6189.84 3955,6200 5079.92,6239.84 2780,6245 5949.92,6284.84 2920,6300 3200,6350 4610,6365 2490,6435 3437.83,6498.27 2320,6545 4684.09,6590.91 3535,6615 3965,6615 3637.76,6618.15 4840,6635 3131.22,6661.58 3745,6730 3550,6770 5840,6785 4370,6790 5315,6820 5151.77,6826.77 4336.81,6839.49 4703.46,6843.46 3735,6850 3575,6875 3660,6935 3755,6960 4895,6965 3545,6970 5295,6975 4260,7015 3655,7025 2521.26,7031.18 2623.43,7034.02 4738.31,7059.65 5665.39,7100 3770,7130 2610,7135 3535,7150 5472.48,7172.09 4980,7185 4427.6,7190.04 4527.6,7190.04 4880,7190 3970,7210 4198.74,7352.56 4677.28,7360.04 3199.92,7604.84 3654.92,7609.84 5780,7620 3034.92,7639.84 3384.92,7649.84 5493.43,7681.57 2874.92,7694.84 4435,7730 5100,7755 4675.31,7760.31 5494.69,7760.31 5780,7820 2814.92,7824.84 4470,7870 4760.87,7913.45 2433.43,7924.02 5640,7970 4260,7980 2428.43,8034.02 2533.43,8039.02 2268.43,8044.02 5790,8050 4705,8060 4595,8065 3466.46,8092.05 2523.78,8111.73 2423.43,8129.02 5540,8135 3547.4,8138.62 3433.43,8149.02 2243.43,8164.02 4760,8175 5775,8175 3480,8180 5285,8190 6105,8205 3443.43,8244.02 2940,8275 4725,8310 4085,8335 5385,8335 5240,8375 3970,8455 4119.71,8455 2204.92,8509.84 3865,8540 5205,8540 4080,8570 3950,8620 2159.92,8654.84 5415,8655 2840,8665 4775,8715 5335,8715 4100,8725 3875,8775 5230,8810 3970,8820 2229.92,8834.84 3745,8850 4805,8850 2579.92,8889.84 2434.92,8954.84 5105,8970 2234.92,9009.84 4085,9015 2645,9025 4705,9065 2419.92,9099.84 4530,9100 2234.92,9139.84 4830,9195 2504.92,9254.84 2413.74,9264.02 2383.74,9349.02 3549.92,9354.84 3458.74,9369.02 3503.74,9384.02 2965,9440 3463.74,9444.02 4990,9450 4990,9500 2189.92,9529.84 2189.92,9804.84 4505,9835 2749.92,9874.84 4379.43,9910.45 5200,9930 2304.92,9979.84 2179.92,10029.84 2570,10060 2975,10060 3160,10070 3720,10070 2693.43,10074.02 5160,10085 4989.76,10090.24 5170,10270 3140,10295 4570,10295 2269.92,10309.84 2154.92,10314.84 3506.38,10352.44 4163.05,10358.05 4955,10455 5150,10470 2274.92,10484.84 3430,10505 2159.92,10529.84 4590,10575 4755,10585 4815,10585 3285.43,10602.01 3485.43,10607.01 3820,10655 2874.09,10680.51 3285.43,10697.01 3480.43,10697.01 4050,10700 4380,10720 4505,10745 3290.43,10782.01 5070,10790 3480.43,10792.01 5880,10815 5475,10830 3295,10850 3420.43,10867.01 3220,10920 3635,11100 4965,11155 3580,11225 4685,11255 2705,11390 3509.92,11424.84 5290,11490 4480,11525
GPIO1: GPIO1.2 RPI_IN.6 | length 4161
  Bottom Layer w10: RPI_IN.6@2702.48,5953.62 2702.48,5957.48 3145,6400 5320,6400 5860,6940 5860,7390 5930.71,7460.71 GPIO1.2@5973.35,7460.71
GPIO2: GPIO2.2 RPI_IN.5 | length 4614.3
  Top Layer w10: RPI_IN.5@2602.48,5953.62 RPI_IN.5@2603.62,5953.62 ; GPIO2.2@5962.83,7952.83 GPIO2.2@5973.35,7952.83
  Bottom Layer w10: RPI_IN.5@2603.05,5953.05 3085,6435 5140,6435 5805,7100 5805,7795 GPIO2.2@5968.09,7958.09
Net3V3_1: 3V3.1 R61.1 | length 90.8
  Top Layer w10: R61.1@4078.03,8063.5 R61.1@4080,8065.47
  Top Layer w20: 3V3.1@3990,8063.5 R61.1@4078.03,8063.5
Net5V_1: 5V.1 R62.1 | length 70.8
  Top Layer w10: R62.1@2453.03,6568.5 R62.1@2455,6570.47
  Top Layer w20: 5V.1@2385,6568.5 R62.1@2453.03,6568.5
NetC7_1: C7.1 R5.2 R6.1 U3.4 | length 3.6
  Top Layer w10: U3.4@2988.35,10614.49 U3.4@2990.87,10617.01
NetC13_2: C13.2 F4.2 L4.1 U5.4
NetC22_1_2: C22_1.2 R49_1.1 U1_1.7 | length 395.8
  Top Layer w10: C22_1.2@4145.12,7309.69 4145.12,7284.69 4145,7284.57 4145,7070.52 4180.39,7035.13 4180.39,7009.09 R49_1.1@4180.71,7008.78 4180.47,7008.78 4180.47,6932.83 U1_1.7@4177.76,6930.12
NetC22_2_2: C22_2.2 R49_2.1 U1_2.7 | length 344.7
  Top Layer w10: C22_2.2@4622.16,7303.94 4622.16,7110.79 4659.57,7073.39 R49_2.1@4659.57,7048.03 4655,7048.03 4655,6983.15 U1_2.7@4652.28,6980.43
NetC22_3_2: C22_3.2 R49_3.1 U1_3.7 | length 343.7
  Top Layer w10: C22_3.2@5069.21,7289.37 5069.21,7095.08 5106.61,7057.68 R49_3.1@5106.61,7033.46 5106.61,7011.61 5099.65,7004.65 5099.65,6965.35 U1_3.7@5100.59,6964.41
NetC22_4_2: C22_4.2 R49_4.1 U1_4.7 | length 351.3
  Top Layer w10: C22_4.2@5563.03,7358.31 5563.03,7168.5 5600.43,7131.1 R49_4.1@5600.43,7102.4 5600.43,7026.69 U1_4.7@5597.48,7023.74
NetC29_2: C29.2 F3.2 L3.1 U4.4 | length 11.5
  Top Layer w52: L3.1@2825.51,8458.58 L3.1@2833.66,8466.73
NetD1_2: D1.2 L1.1 U9.2 | length 6.4
  Top Layer w10: U9.2@3238.46,6864.72 U9.2@3240.59,6862.6
  Top Layer w52: D1.2@3200.63,6498.27 D1.2@3203.99,6498.27
NetD2_2: D2.2 L2.1 U3.2 | length 0.6
  Top Layer w10: U3.2@2984.76,10747.13 U3.2@2985.16,10747.52
NetD3_1: D3.1 L3.2 U4.3 U4.6 | length 120.9
  Top Layer w10: U4.6@3141.89,8052.68 U4.6@3227.36,8138.15
NetD4_1: D4.1 L4.2 U5.3 U5.6
NetF1_2: F1.2 U9.1
NetF2_2: F2.2 U3.1 | length 0.2
  Top Layer w10: U3.1@2992.13,10815.35 U3.1@2992.28,10815.51
NetID-ADC_1: ID-ADC.1 R53.2 | length 35.8
  Top Layer w10: 4851.81,7902.51 ID-ADC.1@4877.13,7877.19
NetID-PWM_1: ID-PWM.1 R17.2 | length 53.8
  Top Layer w10: R17.2@4350.06,10347.58 ID-PWM.1@4403.88,10347.58
NetON_1: ON.1 R63.1 | length 81.3
  Top Layer w10: R63.1@2586.97,7673.5 R63.1@2590,7670.47
  Top Layer w20: ON.1@2510,7673.5 R63.1@2586.97,7673.5
NetQ1_1_4: Q1_1.4 R15_1.2 R16_1.2 | length 191
  Top Layer w10: R15_1.2@4970.63,9347.52 5055.47,9347.52 5110,9292.99 R16_1.2@5139.02,9292.99
NetQ1_2_4: Q1_2.4 R15_2.2 R16_2.2 | length 191
  Top Layer w10: R15_2.2@4970.63,9682.17 5055.47,9682.17 5110,9627.64 R16_2.2@5139.02,9627.64
NetQ1_3_4: Q1_3.4 R15_3.2 R16_3.2 | length 191
  Top Layer w10: R15_3.2@4970.63,10036.5 5055.47,10036.5 5110,9981.97 R16_3.2@5139.02,9981.97
NetQ1_4_4: Q1_4.4 R15_4.2 R16_4.2 | length 215.2
  Top Layer w10: R15_4.2@4970.63,10390.83 Q1_4.4@5049.37,10390.83 ; Q1_4.4@5059.21,10390.83 Q1_4.4@5049.37,10390.83 ; R16_4.2@5149.29,10332.32 5146.89,10334.72 5101.22,10334.72 5049.37,10386.58 Q1_4.4@5049.37,10390.83
NetR1_1: R1.1 SJ1.1 | length 53.1
  Top Layer w10: SJ1.1@3969.33,5852.72 R1.1@4022.48,5852.72
NetR2_1: R2.1 SJ2.1 | length 45
  Top Layer w10: R2.1@3961.02,5729.21 SJ2.1@4006.06,5729.21
NetR3_1: R3.1 SJ3.1 | length 53.1
  Top Layer w10: SJ3.1@5351.34,5851.42 R3.1@5404.49,5851.42
NetR4_1: R4.1 SJ4.1 | length 46.8
  Top Layer w10: R4.1@5344.02,5736.61 5389.41,5736.61 SJ4.1@5390.39,5737.6
NetR7_2: R7.2 R8.1 R9.1 R10.1 U4.5 | length 778.3
  Top Layer w52: U4.5@2858.43,7952.68 2944.57,7952.68 2990.51,7906.73 3185.12,7906.73 3236.02,7855.83 R10.1@3360.39,7855.83 R9.1@3360.39,7934.57 3360.39,7993.62 R8.1@3360.39,8013.31 R7.2@3360.39,8092.05
NetR11_2: R11.2 R12.1 R13.1 R14.1 U5.5 | length 1001.2
  Top Layer w52: U5.5@2840.59,9109.8 2840.59,8964.41 2905,8900 3190.24,8900 R14.1@3362.24,9072.01 R13.1@3362.24,9150.75 R12.1@3362.24,9229.49 R11.2@3362.24,9308.23
NetR19_2: R19.2 U8.2 | length 137.8
  Top Layer w10: R19.2@4222.11,10308.21 4245.06,10285.26 4245.06,10240.11 4266.73,10218.45 4294.98,10218.45 U8.2@4295.89,10217.54
NetR20_2: R20.2 U8.3 | length 229.6
  Top Layer w10: R20.2@4107.26,10290.89 4124.43,10273.72 4185.86,10273.72 4267.63,10191.95 U8.3@4295.89,10191.95
NetR21_2: R21.2 U8.4 | length 299.3
  Top Layer w10: R21.2@4048.21,10290.89 4085.37,10253.72 4176.94,10253.72 4264.3,10166.36 U8.4@4295.89,10166.36
NetR22_2: R22.2 U8.5 | length 368.9
  Top Layer w10: R22.2@3989.15,10290.89 4042.32,10237.72 4170.31,10237.72 4267.26,10140.77 U8.5@4295.89,10140.77
NetR23_2: R23.2 U8.6 | length 158.9
  Top Layer w10: R23.2@4140.14,10138.09 R23.2@4141.59,10139.55 ; R23.2@4146.63,10133.41 4240.77,10133.41 4259,10115.18 U8.6@4295.89,10115.18
NetR24_2: R24.2 U8.7 | length 278.5
  Top Layer w10: R24.2@4087.58,10192.46 4117.92,10162.12 4117.92,10115.07 4124.36,10108.63 4238.11,10108.63 4257.15,10089.59 U8.7@4295.89,10089.59
NetR25_2: R25.2 U8.8 | length 177.8
  Top Layer w10: R25.2@4146.63,9995.61 4187.34,9995.61 4255.73,10064 U8.8@4295.89,10064 U8.8@4295.73,10063.84
NetR26_2: R26.2 U8.9 | length 298.6
  Top Layer w10: R26.2@4087.58,10054.67 4117.92,10024.33 4117.92,9977.27 4124.36,9970.83 4189.58,9970.83 4257.15,10038.41 U8.9@4295.89,10038.41
NetR27_2: R27.2 U8.10 | length 259.5
  Top Layer w10: R27.2@4147.58,9858.14 R27.2@4147.58,9856.71 4175.06,9856.71 4186.89,9868.54 4186.89,9945.51 4225.37,9984 4254.19,10012.82 U8.10@4295.89,10012.82
NetR28_2: R28.2 U8.11 | length 379.5
  Top Layer w10: R28.2@4087.58,9915.77 4118.86,9884.48 4118.86,9838.38 4125.31,9831.93 4172.91,9831.93 4205.69,9864.72 4205.69,9941.69 4232,9968 4251.23,9987.23 U8.11@4295.89,9987.23
NetR29_2: R29.2 U8.12 | length 345.7
  Top Layer w10: R29.2@4146.63,9710.18 4166.32,9710.18 4186,9729.86 4186,9808.6 4225.37,9847.97 4225.37,9926.71 4260.3,9961.63 U8.12@4295.89,9961.63
NetR30_2: R30.2 U8.13 | length 469.4
  Top Layer w10: R30.2@4087.58,9769.23 4117.92,9738.89 4117.92,9691.84 4124.36,9685.4 4168.91,9685.4 4225.37,9741.86 4225.37,9825.35 4241.37,9841.35 4241.37,9920.09 4257.33,9936.04 U8.13@4295.89,9936.04
NetR33_1: R33.1 U8.22 | length 152.4
  Top Layer w10: U8.22@4563.6,10089.59 4606.32,10089.59 4650.14,10133.41 R33.1@4697.81,10133.41
NetR34_1: R34.1 U8.21 | length 274
  Top Layer w10: U8.21@4563.6,10064 4603.36,10064 4647.99,10108.63 4720.09,10108.63 4726.53,10115.07 4726.53,10162.12 R34.1@4756.87,10192.46
NetR35_1: R35.1 U8.20 | length 152
  Top Layer w10: U8.20@4563.6,10038.41 U8.20@4563.6,10038.41 4630.77,10038.41 4673.56,9995.61 R35.1@4697.81,9995.61
NetR36_1: R36.1 U8.19 | length 272.9
  Top Layer w10: U8.19@4563.6,10012.82 4626.36,10012.82 4668.34,9970.83 4720.09,9970.83 4726.53,9977.27 4726.53,10024.33 R36.1@4756.87,10054.67
NetR37_1: R37.1 U8.18 | length 236.1
  Top Layer w10: U8.18@4563.6,9987.23 4629.32,9987.23 4650.45,9966.09 4650.45,9883.72 4676.36,9857.82 R37.1@4697.81,9857.82
NetR38_1: R38.1 U8.17 | length 354.4
  Top Layer w10: U8.17@4563.6,9961.63 4591.85,9961.63 4594.02,9959.47 4620.53,9959.47 4634.45,9945.55 4634.45,9867.72 4669.14,9833.04 4720.09,9833.04 4726.53,9839.48 4726.53,9886.53 R38.1@4756.87,9916.87
NetR39_1: R39.1 U8.16 | length 297.7
  Top Layer w10: U8.16@4563.6,9936.04 4608.13,9936.04 4615.45,9928.72 4615.45,9802.38 R39.1@4697.81,9720.02
NetR40_1: R40.1 U8.15 | length 409.3
  Top Layer w10: U8.15@4563.6,9910.45 4563.6,9807.18 4675.54,9695.24 4720.09,9695.24 4720.09,9696.65 4725.53,9702.1 4725.53,9737.94 4720.63,9742.84 R40.1@4756.87,9779.08
NetR41_2: R41.2 U8.24 | length 271.4
  Top Layer w10: U8.24@4560.93,10143.45 U8.24@4563.6,10140.77 4591.85,10140.77 4610.03,10158.95 4610.03,10178.3 4697.84,10266.11 4720.09,10266.11 4745.45,10291.47 4745.45,10290.89 R41.2@4756.87,10290.89
NetR42_2: R42.2 U8.23 | length 335.9
  Top Layer w10: U8.23@4563.6,10115.18 4591.85,10115.18 4626.03,10149.36 4626.03,10167.73 4703.3,10245 4770.04,10245 R42.2@4815.93,10290.89
NetR43_1_1: R43_1.1 R51_1.2 SJ6_1.1 U1_1.3 | length 221.2
  Top Layer w10: U1_1.3@4206.06,6730.39 U1_1.3@4203.35,6733.11 4200,6729.76 R51_1.2@4200,6659.06 4244.06,6659.06 R43_1.1@4265,6680 4265,6650 4254.55,6639.55 SJ6_1.1@4254.55,6616.08
NetR43_2_1: R43_2.1 R51_2.2 SJ6_2.1 U1_2.3 | length 240.3
  Top Layer w10: U1_2.3@4675.59,6783.43 4675.59,6698.54 R51_2.2@4684.09,6698.54 4713.94,6728.39 R43_2.1@4738.31,6728.39 ; U1_2.3@4677.87,6783.43 U1_2.3@4680.59,6780.71 ; SJ6_2.1@4732.4,6654.33 4732.4,6707.48 ; R43_2.1@4732.4,6722.48 4732.4,6707.48 ; R43_2.1@4738.31,6713.39 4732.4,6707.48
NetR43_3_1: R43_3.1 R51_3.2 SJ6_3.1 U1_3.3 | length 186.1
  Top Layer w10: U1_3.3@5126.18,6767.4 5126.18,6733.11 5133.7,6725.59 R51_3.2@5133.7,6692.01 5178.54,6692.01 R43_3.1@5179.45,6692.91 ; SJ6_3.1@5179.45,6639.76 R43_3.1@5179.45,6692.91 ; R43_3.1@5185.35,6698.82 R43_3.1@5179.45,6692.91
NetR43_4_1: R43_4.1 R51_4.2 SJ6_4.1 U1_4.3 | length 193.5
  Top Layer w10: U1_4.3@5623.07,6826.73 5623.07,6738.23 R51_4.2@5629.96,6738.23 5669.33,6738.23 5673.27,6742.17 SJ6_4.1@5673.27,6689.02
NetR44_1_1: R44_1.1 R48_1.2 R50_1.2 | length 120.1
  Top Layer w10: R50_1.2@3983.86,6674.13 4028.74,6674.13 4013.39,6658.78 R44_1.1@4013.39,6605.24
NetR44_2_1: R44_2.1 R48_2.2 R50_2.2 | length 126.2
  Top Layer w10: R44_2.1@4492.24,6664.17 4492.24,6713.43 4472.6,6733.07 R48_2.2@4521.77,6733.07
NetR44_3_1: R44_3.1 R48_3.2 R50_3.2 | length 119.1
  Top Layer w10: R44_3.1@4939.29,6649.61 4939.29,6703.86 4924.65,6718.5 R48_3.2@4968.82,6718.5
NetR44_4_1: R44_4.1 R48_4.2 R50_4.2 | length 132
  Top Layer w10: R44_4.1@5413.42,6698.86 5413.42,6757.91 R50_4.2@5403.58,6767.76 R48_4.2@5462.64,6767.76
NetR45_1_2: R45_1.2 R46_1.1 SJ8_1.2 U1_1.6 | length 385
  Top Layer w10: U1_1.6@4203.35,6930.12 4204.19,6930.96 4204.19,6979.55 4209.49,6984.85 4209.49,7032.71 4200.39,7041.8 R46_1.1@4200.39,7067.83 4190.55,7077.68 4190.55,7134.37 4213.74,7157.56 4256.65,7157.56 4275,7175.91 SJ8_1.2@4275,7244.57
NetR45_2_2: R45_2.2 R46_2.1 SJ8_2.2 U1_2.6 | length 358
  Top Layer w10: U1_2.6@4677.87,6980.43 4680.59,6983.15 4680.59,7014.21 4688.35,7021.96 4688.35,7074.61 4679.25,7083.7 R46_2.1@4679.25,7107.09 4679.25,7166.14 R45_2.2@4669.41,7175.98 4770,7276.58 SJ8_2.2@4770,7284.57
NetR45_3_2: R45_3.2 R46_3.1 SJ8_3.2 U1_3.6 | length 347.9
  Top Layer w10: U1_3.6@5126.18,6964.41 5126.18,6996.25 5139.65,7009.72 5139.65,7044.65 5131.39,7052.9 5131.39,7092.52 R46_3.1@5126.3,7092.52 5126.3,7171.26 5194.61,7239.57 SJ8_3.2@5225,7239.57
NetR45_4_2: R45_4.2 R46_4.1 SJ8_4.2 U1_4.6 | length 344.1
  Top Layer w10: U1_4.6@5623.07,7023.74 5623.07,7052.82 5633.46,7063.21 5633.46,7118.07 5620.12,7131.42 R46_4.1@5620.12,7161.46 5620.12,7240.2 5663.42,7283.5 SJ8_4.2@5720,7283.5